# Altium PCB STM32F405.PcbDoc (part 1 of 5)
Units mm, origin at the board's own origin, x right, y up, seen from the top; angles counter-clockwise.
Board outline 430.02 x 145.03 mm, 2 copper layers (Top Layer, Bottom Layer); 243 components, 243 nets, 1346 pads, 2611 vias.
Unrouted connection lines stored in the file: 128.
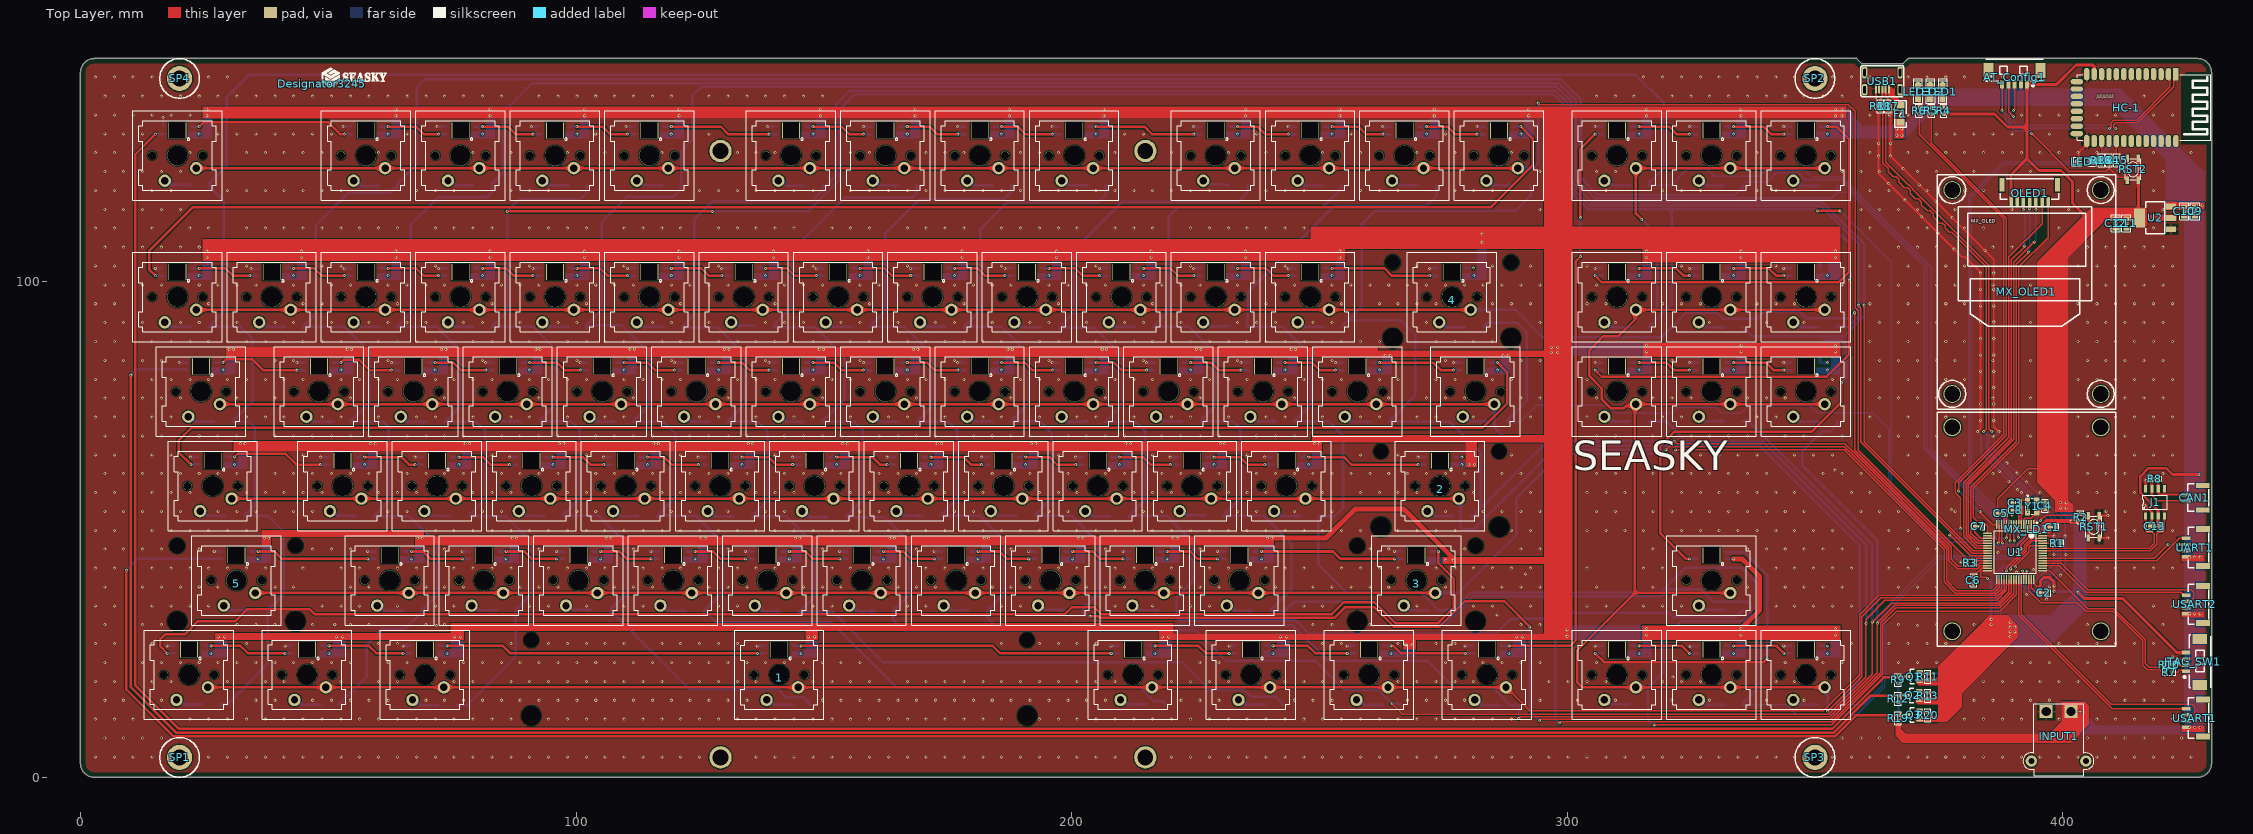
[diagram p0: Top Layer view]
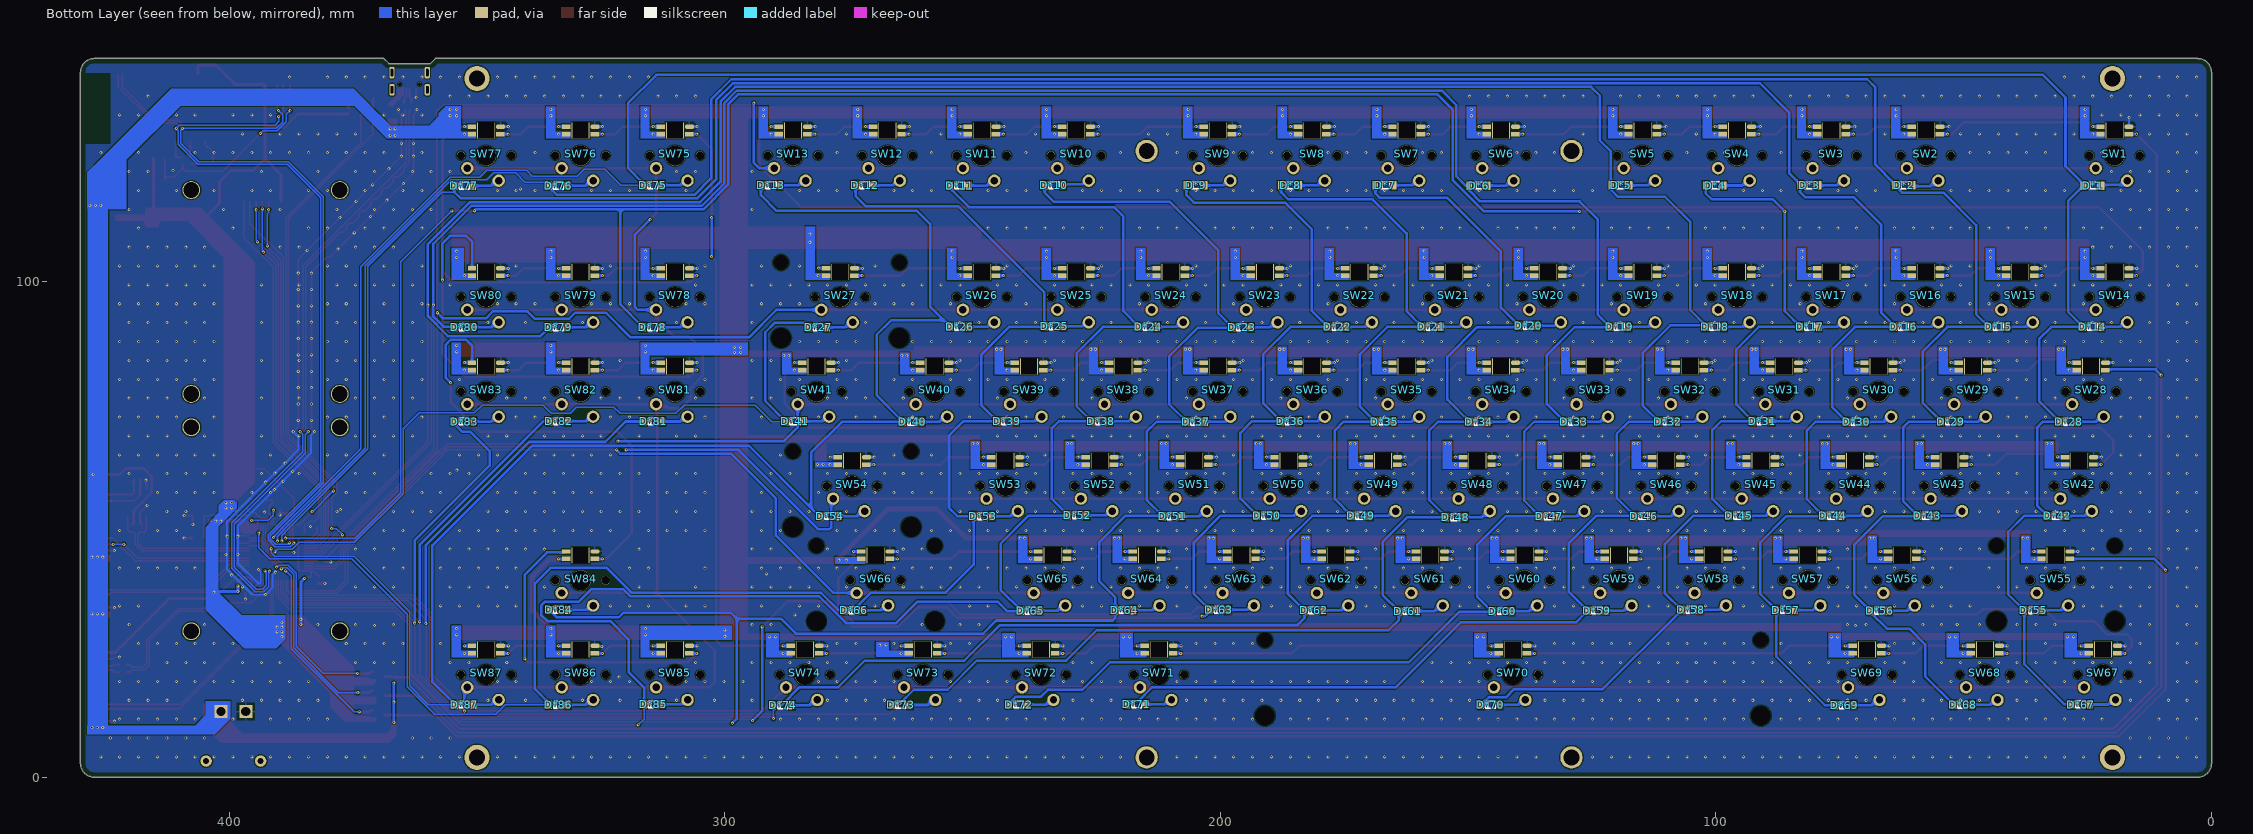
[diagram p1: Bottom Layer view, seen from below]

## Layer stack, top to bottom
Top Solder: solder mask 0.0102, Solder Resist, Dk 3.5
Top Layer: signal copper 0.0356
Dielectric 1: dielectric 0.32, FR-4, Dk 4.8
Bottom Layer: signal copper 0.0356
Bottom Solder: solder mask 0.0102, Solder Resist, Dk 3.5

## Board outline
0,2.794 0,142.236 cw(c2.794,142.236) 2.794,145.03 2.798,145.034 358.394,145.034 359.41,144.018 367.792,144.018 368.808,145.034 427.228,145.034 cw(c427.228,142.24) 430.022,142.24 430.022,2.798 cw(c427.228,2.798) 427.228,0.004 2.794,0 cw(c2.794,2.794)

## Design rules (kind name [scope] priority, off if disabled: settings)
BoardOutlineClearance [All] p1: gap=1.016 ignorepadtopadclearanceinfootprint=FALSE except(0: Arc-SplitContinuation Track-SplitContinuation SMDPad-SplitContinuation THPad-SplitContinuation Via-SplitContinuation Poly-SplitContinuation Region-SplitContinuation Text-SplitContinuation; 0.508: Fill-SplitContinuation)
Clearance [All] p1: gap=0.229 ignorepadtopadclearanceinfootprint=TRUE except(0: Arc-Hole Track-Hole SMDPad-Hole THPad-Hole Via-Hole Fill-Hole Poly-Hole Region-Hole Text-Hole)
DiffPairsRouting DiffPair_DiffPairsRouting [InDifferentialPair ('USB_OTG')] p1: maxlimit=0.254 minlimit=0.254 mostfreqgap=0.254 toplayer_minwidth=0.254 toplayer_maxwidth=0.254 toplayer_prefwidth=0.254 bottomlayer_minwidth=0.254 bottomlayer_maxwidth=0.254 bottomlayer_prefwidth=0.254 maxuncoupledlength=12.7
DiffPairsRouting [All] p2: maxlimit=0.254 minlimit=0.229 mostfreqgap=0.254 toplayer_minwidth=0.381 toplayer_maxwidth=0.381 toplayer_prefwidth=0.381 bottomlayer_minwidth=0.381 bottomlayer_maxwidth=0.381 bottomlayer_prefwidth=0.381 maxuncoupledlength=12.7
MatchedLengths DiffPair_MatchedLengths [InDifferentialPair ('USB_OTG')] p1: tolerance=25.4 checknetsindiffpair=FALSE checkdiffpairvsdiffpair=TRUE checkxsignals=TRUE checkothers=TRUE usedelayunits=FALSE
PlaneConnect [All] p1: planeconnectstyle=Direct reliefexpansion=0.508 reliefentries=4 reliefconductorwidth=0.406 reliefairgap=0.508
PolygonConnect [All] p1: thpad.connectstyle=Relief thpad.reliefconductorwidth=0.406 thpad.reliefentries=4 thpad.polygonreliefangle="90 Angle" thpad.airgapwidth=0.508 smdpad.connectstyle=Relief smdpad.reliefconductorwidth=0.406 smdpad.reliefentries=4 smdpad.polygonreliefangle="90 Angle" smdpad.airgapwidth=0.508 via.connectstyle=Direct via.reliefconductorwidth=0.406 via.reliefentries=4 via.polygonreliefangle="90 Angle" via.airgapwidth=0.508
RoutingVias [All] p1: holewidth=0.356 width=0.711 viastyle="Through Hole" minholewidth=0.305 minwidth=0.61 maxholewidth=0.635 maxwidth=1.27
SolderMaskExpansion [All] p1: expansion=0.102
Width [All] p1: maxlimit=2539.975 minlimit=0.254 preferedwidth=0.508
28 further rules are at their usual default settings.

## Classes and differential pairs
component class 机械键盘: 1 2 3 4 5 D*1 D*2 D*3 D*4 D*5 D*6 D*7 D*8 D*9 D*10 D*11 D*12 D*13 D*14 D*15 D*16 D*17 D*18 D*19 D*20 D*21 D*22 D*23 D*24 D*25 D*26 D*27 D*28 D*29 D*30 D*31 D*32 D*33 D*34 D*35 D*36 D*37 D*38 D*39 D*40 D*41 D*42 D*43 D*44 D*45 D*46 D*47 D*48 D*49 D*50 D*51 D*52 D*53 D*54 D*55 D*56 D*57 D*58 D*59 D*60 D*61 D*62 D*63 D*64 D*65 D*66 D*67 D*68 D*69 D*70 D*71 D*72 D*73 D*74 D*75 D*76 D*77 D*78 D*79 D*80 D*81 D*82 D*83 D*84 D*85 D*86 D*87 SW1 SW2 SW3 SW4 SW5 SW6 SW7 SW8 SW9 SW10 SW11 SW12 SW13 SW14 SW15 SW16 SW17 SW18 SW19 SW20 SW21 SW22 SW23 SW24 SW25 SW26 SW27 SW28 SW29 SW30 SW31 SW32 SW33 SW34 SW35 SW36 SW37 SW38 SW39 SW40 SW41 SW42 SW43 SW44 SW45 SW46 SW47 SW48 SW49 SW50 SW51 SW52 SW53 SW54 SW55 SW56 SW57 SW58 SW59 SW60 SW61 SW62 SW63 SW64 SW65 SW66 SW67 SW68 SW69 SW70 SW71 SW72 SW73 SW74 SW75 SW76 SW77 SW78 SW79 SW80 SW81 SW82 SW83 SW84 SW85 SW86 SW87
component class STM32F405: AT_Config1 C1 C2 C3 C4 C5 C6 C7 C8 C9 C10 C11 C12 C13 CAN1 F1 HC-1 HC-04-HID INPUT1 J1 JTAG_SW1 LED1 LED2 LED3 LED4 MX_LD1 MX_OLED1 OLED1 Q1 Q2 Q3 R1 R2 R3 R4 R5 R6 R7 R8 R9 R10 R11 R12 R13 R14 R15 R16 R17 R18 R19 R20 RST1 RST2 SP1 SP2 SP3 SP4 U1 U2 UART1 USART1 USART2 USB1 Y1

## Components (designator, comment, footprint, x,y, rotation, side; value= is the part's Value field where it differs from the comment)
1 "MX_支架" 1X6.25 140.993,20.669 r0 top
2 "MX_支架" 1X2 274.343,58.769 r0 top
3 "MX_支架" 1X2 269.58,39.719 r0 top
4 "MX_支架" 1X2 276.724,96.869 r0 top
5 "MX_支架" 1X2 31.455,39.719 r0 top
AT_Config1 "HDR-1X5" "MX 1.25-WS-5P" 390.271,142.621 r180 top
C1 "0.1uF" "C 0603_L" 397.933,50.49 r180 top
C2 "2.2uF" "C 0603_L" 396.155,37.184 r180 top
C3 "22pF" "C 0603_L" 390.44,55.414 r0 top
C4 "22pF" "C 0603_L" 396.409,54.779 r90 top
C5 "0.1uF" "C 0603_L" 387.504,53.284 r180 top
C6 "2.2uF" "C 0603_L" 381.96,39.748 r90 top
C7 "0.1uF" "C 0603_L" 382.947,50.617 r180 top
C8 "0.1uF" "C 0603_L" 390.44,53.89 r0 top
C9 "47uF" "C 0805_L" 426.689,114.173 r90 top
C10 "0.1uF" "C 0805_L" 424.53,114.173 r90 top
C11 "47uF" "C 0805_L" 412.846,111.76 r90 top
C12 "0.1uF" "C 0805_L" 410.687,111.76 r90 top
C13 "0.1uF" "C 0805_L" 418.592,50.673 r180 top
CAN1 "HDR1x2-right" GH1.25-立贴-2P 424.891,55.786 r90 top
D*1 "LL4148" LL-34_L3.7-W1.6-RD 23.981,119.389 r180 bottom
D*2 "LL4148" LL-34_L3.7-W1.6-RD 62.099,119.455 r180 bottom
D*3 "LL4148" LL-34_L3.7-W1.6-RD 81.163,119.439 r180 bottom
D*4 "LL4148" LL-34_L3.7-W1.6-RD 100.235,119.403 r180 bottom
D*5 "LL4148" LL-34_L3.7-W1.6-RD 119.255,119.432 r180 bottom
D*6 "LL4148" LL-34_L3.7-W1.6-RD 147.897,119.386 r180 bottom
D*7 "LL4148" LL-34_L3.7-W1.6-RD 166.883,119.419 r180 bottom
D*8 "LL4148" LL-34_L3.7-W1.6-RD 185.942,119.429 r180 bottom
D*9 "LL4148" LL-34_L3.7-W1.6-RD 205.001,119.426 r180 bottom
D*10 "LL4148" LL-34_L3.7-W1.6-RD 233.603,119.442 r180 bottom
D*11 "LL4148" LL-34_L3.7-W1.6-RD 252.619,119.396 r180 bottom
D*12 "LL4148" LL-34_L3.7-W1.6-RD 271.766,119.442 r180 bottom
D*13 "LL4148" LL-34_L3.7-W1.6-RD 290.708,119.416 r180 bottom
D*14 "LL4148" LL-34_L3.7-W1.6-RD 24.055,90.877 r180 bottom
D*15 "LL4148" LL-34_L3.7-W1.6-RD 43.083,90.857 r180 bottom
D*16 "LL4148" LL-34_L3.7-W1.6-RD 62.211,90.89 r180 bottom
D*17 "LL4148" LL-34_L3.7-W1.6-RD 81.114,90.883 r180 bottom
D*18 "LL4148" LL-34_L3.7-W1.6-RD 100.231,90.87 r180 bottom
D*19 "LL4148" LL-34_L3.7-W1.6-RD 119.531,90.867 r180 bottom
D*20 "LL4148" LL-34_L3.7-W1.6-RD 137.9,91.114 r180 bottom
D*21 "LL4148" LL-34_L3.7-W1.6-RD 157.421,90.896 r180 bottom
D*22 "LL4148" LL-34_L3.7-W1.6-RD 176.459,90.867 r180 bottom
D*23 "LL4148" LL-34_L3.7-W1.6-RD 195.682,90.751 r180 bottom
D*24 "LL4148" LL-34_L3.7-W1.6-RD 214.582,90.89 r180 bottom
D*25 "LL4148" LL-34_L3.7-W1.6-RD 233.503,90.959 r180 bottom
D*26 "LL4148" LL-34_L3.7-W1.6-RD 252.618,90.903 r180 bottom
D*27 "LL4148" LL-34_L3.7-W1.6-RD 281.187,90.784 r180 bottom
D*28 "LL4148" LL-34_L3.7-W1.6-RD 28.808,71.758 r180 bottom
D*29 "LL4148" LL-34_L3.7-W1.6-RD 52.642,71.775 r180 bottom
D*30 "LL4148" LL-34_L3.7-W1.6-RD 71.701,71.682 r180 bottom
D*31 "LL4148" LL-34_L3.7-W1.6-RD 90.688,71.837 r180 bottom
D*32 "LL4148" LL-34_L3.7-W1.6-RD 109.689,71.778 r180 bottom
D*33 "LL4148" LL-34_L3.7-W1.6-RD 128.71,71.748 r180 bottom
D*34 "LL4148" LL-34_L3.7-W1.6-RD 147.822,71.695 r180 bottom
D*35 "LL4148" LL-34_L3.7-W1.6-RD 166.916,71.765 r180 bottom
D*36 "LL4148" LL-34_L3.7-W1.6-RD 185.911,71.85 r180 bottom
D*37 "LL4148" LL-34_L3.7-W1.6-RD 204.94,71.728 r180 bottom
D*38 "LL4148" LL-34_L3.7-W1.6-RD 224.11,71.824 r180 bottom
D*39 "LL4148" LL-34_L3.7-W1.6-RD 243.085,71.794 r180 bottom
D*40 "LL4148" LL-34_L3.7-W1.6-RD 262.134,71.715 r180 bottom
D*41 "LL4148" LL-34_L3.7-W1.6-RD 285.869,71.804 r180 bottom
D*42 "LL4148" LL-34_L3.7-W1.6-RD 31.169,52.715 r180 bottom
D*43 "LL4148" LL-34_L3.7-W1.6-RD 57.374,52.729 r180 bottom
D*44 "LL4148" LL-34_L3.7-W1.6-RD 76.433,52.719 r180 bottom
D*45 "LL4148" LL-34_L3.7-W1.6-RD 95.446,52.725 r180 bottom
D*46 "LL4148" LL-34_L3.7-W1.6-RD 114.535,52.699 r180 bottom
D*47 "LL4148" LL-34_L3.7-W1.6-RD 133.654,52.636 r180 bottom
D*48 "LL4148" LL-34_L3.7-W1.6-RD 152.564,52.478 r180 bottom
D*49 "LL4148" LL-34_L3.7-W1.6-RD 171.678,52.732 r180 bottom
D*50 "LL4148" LL-34_L3.7-W1.6-RD 190.677,52.778 r180 bottom
D*51 "LL4148" LL-34_L3.7-W1.6-RD 209.682,52.63 r180 bottom
D*52 "LL4148" LL-34_L3.7-W1.6-RD 228.837,52.841 r180 bottom
D*53 "LL4148" LL-34_L3.7-W1.6-RD 247.959,52.663 r180 bottom
D*54 "LL4148" LL-34_L3.7-W1.6-RD 278.803,52.702 r180 bottom
D*55 "LL4148" LL-34_L3.7-W1.6-RD 35.924,33.669 r180 bottom
D*56 "LL4148" LL-34_L3.7-W1.6-RD 66.966,33.567 r180 bottom
D*57 "LL4148" LL-34_L3.7-W1.6-RD 85.951,33.739 r180 bottom
D*58 "LL4148" LL-34_L3.7-W1.6-RD 105.045,33.752 r180 bottom
D*59 "LL4148" LL-34_L3.7-W1.6-RD 124.028,33.63 r180 bottom
D*60 "LL4148" LL-34_L3.7-W1.6-RD 143.077,33.531 r180 bottom
D*61 "LL4148" LL-34_L3.7-W1.6-RD 162.146,33.531 r180 bottom
D*62 "LL4148" LL-34_L3.7-W1.6-RD 181.143,33.663 r180 bottom
D*63 "LL4148" LL-34_L3.7-W1.6-RD 200.283,33.782 r180 bottom
D*64 "LL4148" LL-34_L3.7-W1.6-RD 219.388,33.726 r180 bottom
D*65 "LL4148" LL-34_L3.7-W1.6-RD 238.337,33.617 r180 bottom
D*66 "LL4148" LL-34_L3.7-W1.6-RD 273.939,33.655 r180 bottom
D*67 "LL4148" LL-34_L3.7-W1.6-RD 26.403,14.673 r180 bottom
D*68 "LL4148" LL-34_L3.7-W1.6-RD 50.202,14.64 r180 bottom
D*69 "LL4148" LL-34_L3.7-W1.6-RD 74.08,14.551 r180 bottom
D*70 "LL4148" LL-34_L3.7-W1.6-RD 145.518,14.604 r180 bottom
D*71 "LL4148" LL-34_L3.7-W1.6-RD 216.93,14.706 r180 bottom
D*72 "LL4148" LL-34_L3.7-W1.6-RD 240.721,14.66 r180 bottom
D*73 "LL4148" LL-34_L3.7-W1.6-RD 264.499,14.574 r180 bottom
D*74 "LL4148" LL-34_L3.7-W1.6-RD 288.352,14.498 r180 bottom
D*75 "LL4148" LL-34_L3.7-W1.6-RD 314.537,119.465 r180 bottom
D*76 "LL4148" LL-34_L3.7-W1.6-RD 333.59,119.376 r180 bottom
D*77 "LL4148" LL-34_L3.7-W1.6-RD 352.639,119.346 r180 bottom
D*78 "LL4148" LL-34_L3.7-W1.6-RD 314.606,90.787 r180 bottom
D*79 "LL4148" LL-34_L3.7-W1.6-RD 333.619,90.768 r180 bottom
D*80 "LL4148" LL-34_L3.7-W1.6-RD 352.601,90.824 r180 bottom
D*81 "LL4148" LL-34_L3.7-W1.6-RD 314.484,71.781 r180 bottom
D*82 "LL4148" LL-34_L3.7-W1.6-RD 333.52,71.844 r180 bottom
D*83 "LL4148" LL-34_L3.7-W1.6-RD 352.621,71.778 r180 bottom
D*84 "LL4148" LL-34_L3.7-W1.6-RD 333.517,33.745 r180 bottom
D*85 "LL4148" LL-34_L3.7-W1.6-RD 314.448,14.686 r180 bottom
D*86 "LL4148" LL-34_L3.7-W1.6-RD 333.573,14.594 r180 bottom
D*87 "LL4148" LL-34_L3.7-W1.6-RD 352.566,14.657 r180 bottom
Designator3245 "Comment" SEASKY1 48.641,139.954 r0 top
F1 "MSMD200-8V 2A" "FU 1206" 367.284,133.858 r270 top
HC-1 "HC-04-HID" HC-05 416.433,135.128 r270 top
INPUT1 "XT30" XT30PW-M 399.161,8.255 r0 top
J1 "TJA1050" SOIC-8_150MIL 416.715,52.717 r90 top
JTAG_SW1 "HDR-1X4" "MX 1.25-WS-4P" 427.642,23.274 r90 top
LED1 "红色" "LED 0805R" 375.738,138.303 r90 top
LED2 "红色" "LED 0805G" 373.262,138.303 r90 top
LED3 "红色" "LED 0805G" 370.786,138.303 r90 top
LED4 "红色" "LED 0805G" 404.495,124.206 r180 top
MX_LD1 "LD3320_STEP" LD3320 374.599,26.441 r0 top locked
MX_OLED1 "MX_OLED" MX_OLED_STEP 377.698,77.343 r0 top
OLED1 "HDR1x7-left" GH1.25-立贴-7P 397.069,116.205 r180 top
Q1 "AO3400A" SOT-23-3_L2.9-W1.3-P1.90-LS2.4-BR 369.907,20.32 r0 top
Q2 "AO3400A" SOT-23-3_L2.9-W1.3-P1.90-LS2.4-BR 369.78,16.51 r0 top
Q3 "AO3400A" SOT-23-3_L2.9-W1.3-P1.90-LS2.4-BR 369.907,12.573 r0 top
R1 "10K" "R 0603_L" 398.907,47.244 r0 top
R2 "10K" "R 0603_L" 403.606,52.451 r270 top
R3 "10K" "R 0603_L" 381.381,43.307 r0 top
R4 "4.7K" "R 0603_L" 375.978,134.468 r270 top
R5 "4.7K" "R 0603_L" 373.501,134.468 r270 top
R6 "4.7K" "R 0603_L" 371.025,134.483 r270 top
R7 "0R" "R 0603_L" 421.459,21.209 r0 top
R8 "120R" 0603P 418.592,60.198 r180 top
R9 "4.7K" "R 0603_L" 366.788,19.621 r90 top
R10 "0R" "R 0603_L" 421.459,22.733 r0 top
R11 "4.7K" "R 0603_L" 372.757,20.256 r90 top
R12 "4.7K" "R 0603_L" 366.788,15.811 r90 top
R13 "4.7K" "R 0603_L" 372.757,16.446 r90 top
R14 "470R" "R 0603_L" 409.366,124.46 r90 top
R15 "10K" "R 0603_L" 410.953,124.46 r90 top
R16 "1K" "R 0603_L" 407.778,124.46 r90 top
R17 "10R" "R 0603_L" 364.777,135.415 r270 top
R18 "10R" "R 0603_L" 363.253,135.415 r270 top
R19 "4.7K" "R 0603_L" 366.788,11.874 r90 top
R20 "4.7K" "R 0603_L" 372.757,12.509 r90 top
RST1 "RES" SMD-3.2*4.2 406.236,50.525 r90 top
RST2 "RES" SMD-3.2*4.2 414.147,122.682 r270 top
SP1 "M3铜柱" M3x4+6_L 20,4 r0 top
SP2 "M3铜柱" M3x4+6_L 350,141 r0 top
SP3 "M3铜柱" M3x4+6_L 350,4 r0 top
SP4 "M3铜柱" M3x4+6_L 20,141 r0 top
SW1 "MX_SW" MX_SW-7 19.549,125.445 r0 top
SW2 "MX_SW" MX_SW-7 57.649,125.445 r0 top
SW3 "MX_SW" MX_SW-7 76.699,125.445 r0 top
SW4 "MX_SW" MX_SW-7 95.749,125.445 r0 top
SW5 "MX_SW" MX_SW-7 114.799,125.445 r0 top
SW6 "MX_SW" MX_SW-7 143.374,125.445 r0 top
SW7 "MX_SW" MX_SW-7 162.424,125.445 r0 top
SW8 "MX_SW" MX_SW-7 181.474,125.445 r0 top
SW9 "MX_SW" MX_SW-7 200.524,125.445 r0 top
SW10 "MX_SW" MX_SW-7 229.099,125.445 r0 top
SW11 "MX_SW" MX_SW-7 248.149,125.445 r0 top
SW12 "MX_SW" MX_SW-7 267.199,125.445 r0 top
SW13 "MX_SW" MX_SW-7 286.249,125.445 r0 top
SW14 "MX_SW" MX_SW-7 19.549,96.869 r0 top
SW15 "MX_SW" MX_SW-7 38.599,96.869 r0 top
SW16 "MX_SW" MX_SW-7 57.649,96.869 r0 top
SW17 "MX_SW" MX_SW-7 76.699,96.869 r0 top
SW18 "MX_SW" MX_SW-7 95.749,96.869 r0 top
SW19 "MX_SW" MX_SW-7 114.799,96.869 r0 top
SW20 "MX_SW" MX_SW-7 133.849,96.869 r0 top
SW21 "MX_SW" MX_SW-7 152.899,96.869 r0 top
SW22 "MX_SW" MX_SW-7 171.949,96.869 r0 top
SW23 "MX_SW" MX_SW-7 190.999,96.869 r0 top
SW24 "MX_SW" MX_SW-7 210.049,96.869 r0 top
SW25 "MX_SW" MX_SW-7 229.099,96.869 r0 top
SW26 "MX_SW" MX_SW-7 248.149,96.869 r0 top
SW27 "MX_SW" MX_BACKSPACE 276.724,96.869 r0 top
SW28 "MX_SW" MX_TAB 24.312,77.819 r0 top
SW29 "MX_SW" MX_SW-7 48.124,77.819 r0 top
SW30 "MX_SW" MX_SW-7 67.174,77.819 r0 top
SW31 "MX_SW" MX_SW-7 86.224,77.819 r0 top
SW32 "MX_SW" MX_SW-7 105.274,77.819 r0 top
SW33 "MX_SW" MX_SW-7 124.324,77.819 r0 top
SW34 "MX_SW" MX_SW-7 143.374,77.819 r0 top
SW35 "MX_SW" MX_SW-7 162.424,77.819 r0 top
SW36 "MX_SW" MX_SW-7 181.474,77.819 r0 top
SW37 "MX_SW" MX_SW-7 200.524,77.819 r0 top
SW38 "MX_SW" MX_SW-7 219.574,77.819 r0 top
SW39 "MX_SW" MX_SW-7 238.624,77.819 r0 top
SW40 "MX_SW" MX_SW-7 257.674,77.819 r0 top
SW41 "MX_SW" MX_TAB 281.487,77.819 r0 top
SW42 "MX_SW" MX_CAPSLOCK 26.693,58.769 r0 top
SW43 "MX_SW" MX_SW-7 52.887,58.769 r0 top
SW44 "MX_SW" MX_SW-7 71.937,58.769 r0 top
SW45 "MX_SW" MX_SW-7 90.987,58.769 r0 top
SW46 "MX_SW" MX_SW-7 110.037,58.769 r0 top
SW47 "MX_SW" MX_SW-7 129.087,58.769 r0 top
SW48 "MX_SW" MX_SW-7 148.137,58.769 r0 top
SW49 "MX_SW" MX_SW-7 167.187,58.769 r0 top
SW50 "MX_SW" MX_SW-7 186.237,58.769 r0 top
SW51 "MX_SW" MX_SW-7 205.287,58.769 r0 top
SW52 "MX_SW" MX_SW-7 224.337,58.769 r0 top
SW53 "MX_SW" MX_SW-7 243.387,58.769 r0 top
SW54 "MX_SW" MX_左SHIFT(ENTER) 274.343,58.769 r0 top
SW55 "MX_SW" MX_左SHIFT(ENTER) 31.455,39.719 r0 top
SW56 "MX_SW" MX_SW-7 62.412,39.719 r0 top
SW57 "MX_SW" MX_SW-7 81.462,39.719 r0 top
SW58 "MX_SW" MX_SW-7 100.512,39.719 r0 top
SW59 "MX_SW" MX_SW-7 119.562,39.719 r0 top
SW60 "MX_SW" MX_SW-7 138.612,39.719 r0 top
SW61 "MX_SW" MX_SW-7 157.662,39.719 r0 top
SW62 "MX_SW" MX_SW-7 176.712,39.719 r0 top
SW63 "MX_SW" MX_SW-7 195.762,39.719 r0 top
SW64 "MX_SW" MX_SW-7 214.812,39.719 r0 top
SW65 "MX_SW" MX_SW-7 233.862,39.719 r0 top
SW66 "MX_SW" MX_右SHIFT 269.58,39.719 r0 top
SW67 "MX_SW" MX_CTRL(WIN)(ALT) 21.93,20.669 r0 top
SW68 "MX_SW" MX_CTRL(WIN)(ALT) 45.743,20.669 r0 top
SW69 "MX_SW" MX_CTRL(WIN)(ALT) 69.555,20.669 r0 top
SW70 "MX_SW" MX_空格 140.993,20.669 r0 top
SW71 "MX_SW" MX_CTRL(WIN)(ALT) 212.43,20.669 r0 top
SW72 "MX_SW" MX_CTRL(WIN)(ALT) 236.243,20.669 r0 top
SW73 "MX_SW" MX_CTRL(WIN)(ALT) 260.055,20.669 r0 top
SW74 "MX_SW" MX_CTRL(WIN)(ALT) 283.868,20.669 r0 top
SW75 "MX_SW" MX_SW-7 310.062,125.445 r0 top
SW76 "MX_SW" MX_SW-7 329.112,125.445 r0 top
SW77 "MX_SW" MX_SW-7 348.162,125.445 r0 top
SW78 "MX_SW" MX_SW-7 310.062,96.869 r0 top
SW79 "MX_SW" MX_SW-7 329.112,96.869 r0 top
SW80 "MX_SW" MX_SW-7 348.162,96.869 r0 top
SW81 "MX_SW" MX_SW-7 310.062,77.819 r0 top
SW82 "MX_SW" MX_SW-7 329.112,77.819 r0 top
SW83 "MX_SW" MX_SW-7 348.162,77.819 r0 top
SW84 "MX_SW" MX_SW-7 329.112,39.719 r0 top
SW85 "MX_SW" MX_SW-7 310.062,20.669 r0 top
SW86 "MX_SW" MX_SW-7 329.112,20.669 r0 top
SW87 "MX_SW" MX_SW-7 348.162,20.669 r0 top
U1 "STM32F405RGT6" LQFP-64_10X10X05P 390.398,45.444 r270 top
U2 "SPX1117M3-L-3-3/TR" SOT-223 418.67,112.878 r0 top